# Allegro board LED_FIN.brd (continued)
## Routing (per net, layer and track width the routed paths; a pad name or vN(x,y) marks a point on that pad's centre or on a via; arc(x,y) is an arc through that point) (continued)
COL_OUT_B113: length 244.7
  TOP w0.15: D5557.1 v1(51.25,250.8) ; D5317.1 v1(51.25,266.8) ; D5677.1 v1(51.25,242.8) ; D4687.1 v1(51.25,308.8) ; D4747.1 v1(51.25,304.8) ; D5497.1 v1(51.25,254.8) ; D5347.1 v1(51.25,264.8) ; D5197.1 v1(51.25,274.8) ; D5467.1 v1(51.25,256.8) ; D4717.1 v1(51.25,306.8) ; D4627.1 v1(51.25,312.8) ; D5257.1 v1(51.25,270.8) ; D5167.1 v1(51.25,276.8) ; D5137.1 v1(51.25,278.8) ; D5587.1 v1(51.25,248.8) ; D5437.1 v1(51.25,258.8) ; D5287.1 v1(51.25,268.8) ; D4897.1 v1(51.25,294.8) ; D5617.1 v1(51.25,246.8) ; D5407.1 v1(51.25,260.8) ; D4987.1 v1(51.25,288.8) ; D5047.1 v1(51.25,284.8) ; D4837.1 v1(51.25,298.8) ; D5527.1 v1(51.25,252.8) ; D4777.1 v1(51.25,302.8) ; D5107.1 v1(51.25,280.8) ; D4867.1 v1(51.25,296.8) ; D5647.1 v1(51.25,244.8) ; D4927.1 v1(51.25,292.8) ; D5377.1 v1(51.25,262.8) ; D4597.1 v1(51.25,314.8) ; D4807.1 v1(51.25,300.8) ; D5077.1 v1(51.25,282.8) ; D5227.1 v1(51.25,272.8) ; v1(50.55,99.8) R127.1 ; D4657.1 v1(51.25,310.8) ; D4567.1 v1(51.25,316.8) ; D4957.1 v1(51.25,290.8) ; D5017.1 v1(51.25,286.8)
  BOTTOM w0.15: v1(51.25,316.8) v1(51.25,314.8) v1(51.25,312.8) v1(51.25,310.8) v1(51.25,308.8) v1(51.25,306.8) v1(51.25,304.8) v1(51.25,302.8) v1(51.25,300.8) v1(51.25,298.8) v1(51.25,296.8) v1(51.25,294.8) v1(51.25,292.8) v1(51.25,290.8) v1(51.25,288.8) v1(51.25,286.8) v1(51.25,284.8) v1(51.25,282.8) v1(51.25,280.8) v1(51.25,278.8) v1(51.25,276.8) v1(51.25,274.8) v1(51.25,272.8) v1(51.25,270.8) v1(51.25,268.8) v1(51.25,266.8) v1(51.25,264.8) v1(51.25,262.8) v1(51.25,260.8) v1(51.25,258.8) v1(51.25,256.8) v1(51.25,254.8) v1(51.25,252.8) v1(51.25,250.8) v1(51.25,248.8) v1(51.25,246.8) v1(51.25,244.8) v1(51.25,242.8) 50.55,242.1 v1(50.55,99.8)
COL_OUT_B114: length 244.7
  TOP w0.15: D5466.1 v1(49.25,256.8) ; D5196.1 v1(49.25,274.8) ; v1(48.55,99.8) R126.1 ; D4656.1 v1(49.25,310.8) ; D5376.1 v1(49.25,262.8) ; D4626.1 v1(49.25,312.8) ; D5286.1 v1(49.25,268.8) ; D4806.1 v1(49.25,300.8) ; D5496.1 v1(49.25,254.8) ; D5526.1 v1(49.25,252.8) ; D4836.1 v1(49.25,298.8) ; D5166.1 v1(49.25,276.8) ; D4746.1 v1(49.25,304.8) ; D5436.1 v1(49.25,258.8) ; D5256.1 v1(49.25,270.8) ; D5136.1 v1(49.25,278.8) ; D4566.1 v1(49.25,316.8) ; D4596.1 v1(49.25,314.8) ; D5076.1 v1(49.25,282.8) ; D5106.1 v1(49.25,280.8) ; D5676.1 v1(49.25,242.8) ; D5346.1 v1(49.25,264.8) ; D5226.1 v1(49.25,272.8) ; D4986.1 v1(49.25,288.8) ; D4926.1 v1(49.25,292.8) ; D5556.1 v1(49.25,250.8) ; D4866.1 v1(49.25,296.8) ; D5046.1 v1(49.25,284.8) ; D5646.1 v1(49.25,244.8) ; D4686.1 v1(49.25,308.8) ; D5586.1 v1(49.25,248.8) ; D4956.1 v1(49.25,290.8) ; D4896.1 v1(49.25,294.8) ; D5406.1 v1(49.25,260.8) ; D5016.1 v1(49.25,286.8) ; D5616.1 v1(49.25,246.8) ; D5316.1 v1(49.25,266.8) ; D4776.1 v1(49.25,302.8) ; D4716.1 v1(49.25,306.8)
  BOTTOM w0.15: v1(48.55,99.8) 48.55,242.1 v1(49.25,242.8) v1(49.25,244.8) v1(49.25,246.8) v1(49.25,248.8) v1(49.25,250.8) v1(49.25,252.8) v1(49.25,254.8) v1(49.25,256.8) v1(49.25,258.8) v1(49.25,260.8) v1(49.25,262.8) v1(49.25,264.8) v1(49.25,266.8) v1(49.25,268.8) v1(49.25,270.8) v1(49.25,272.8) v1(49.25,274.8) v1(49.25,276.8) v1(49.25,278.8) v1(49.25,280.8) v1(49.25,282.8) v1(49.25,284.8) v1(49.25,286.8) v1(49.25,288.8) v1(49.25,290.8) v1(49.25,292.8) v1(49.25,294.8) v1(49.25,296.8) v1(49.25,298.8) v1(49.25,300.8) v1(49.25,302.8) v1(49.25,304.8) v1(49.25,306.8) v1(49.25,308.8) v1(49.25,310.8) v1(49.25,312.8) v1(49.25,314.8) v1(49.25,316.8)
COL_OUT_B115: length 244.7
  TOP w0.15: D5645.1 v1(47.25,244.8) ; D5495.1 v1(47.25,254.8) ; D5585.1 v1(47.25,248.8) ; D5615.1 v1(47.25,246.8) ; D4775.1 v1(47.25,302.8) ; D4865.1 v1(47.25,296.8) ; D5165.1 v1(47.25,276.8) ; D4745.1 v1(47.25,304.8) ; D4595.1 v1(47.25,314.8) ; D4835.1 v1(47.25,298.8) ; D5345.1 v1(47.25,264.8) ; D5465.1 v1(47.25,256.8) ; D5315.1 v1(47.25,266.8) ; D5375.1 v1(47.25,262.8) ; D5105.1 v1(47.25,280.8) ; D5045.1 v1(47.25,284.8) ; D5405.1 v1(47.25,260.8) ; D5135.1 v1(47.25,278.8) ; D4895.1 v1(47.25,294.8) ; D5255.1 v1(47.25,270.8) ; D5555.1 v1(47.25,250.8) ; D5195.1 v1(47.25,274.8) ; D4625.1 v1(47.25,312.8) ; D5075.1 v1(47.25,282.8) ; D4925.1 v1(47.25,292.8) ; D5225.1 v1(47.25,272.8) ; D4985.1 v1(47.25,288.8) ; D4955.1 v1(47.25,290.8) ; D4565.1 v1(47.25,316.8) ; D5525.1 v1(47.25,252.8) ; D4685.1 v1(47.25,308.8) ; D4715.1 v1(47.25,306.8) ; D4655.1 v1(47.25,310.8) ; D5015.1 v1(47.25,286.8) ; D4805.1 v1(47.25,300.8) ; D5435.1 v1(47.25,258.8) ; v1(46.55,99.8) R125.1 ; D5675.1 v1(47.25,242.8) ; D5285.1 v1(47.25,268.8)
  BOTTOM w0.15: v1(46.55,99.8) 46.55,242.1 v1(47.25,242.8) v1(47.25,244.8) v1(47.25,246.8) v1(47.25,248.8) v1(47.25,250.8) v1(47.25,252.8) v1(47.25,254.8) v1(47.25,256.8) v1(47.25,258.8) v1(47.25,260.8) v1(47.25,262.8) v1(47.25,264.8) v1(47.25,266.8) v1(47.25,268.8) v1(47.25,270.8) v1(47.25,272.8) v1(47.25,274.8) v1(47.25,276.8) v1(47.25,278.8) v1(47.25,280.8) v1(47.25,282.8) v1(47.25,284.8) v1(47.25,286.8) v1(47.25,288.8) v1(47.25,290.8) v1(47.25,292.8) v1(47.25,294.8) v1(47.25,296.8) v1(47.25,298.8) v1(47.25,300.8) v1(47.25,302.8) v1(47.25,304.8) v1(47.25,306.8) v1(47.25,308.8) v1(47.25,310.8) v1(47.25,312.8) v1(47.25,314.8) v1(47.25,316.8)
COL_OUT_B116: length 244.7
  TOP w0.15: D5164.1 v1(45.25,276.8) ; D5014.1 v1(45.25,286.8) ; D5404.1 v1(45.25,260.8) ; D4564.1 v1(45.25,316.8) ; D5344.1 v1(45.25,264.8) ; D5614.1 v1(45.25,246.8) ; D5524.1 v1(45.25,252.8) ; D4804.1 v1(45.25,300.8) ; D5074.1 v1(45.25,282.8) ; D5224.1 v1(45.25,272.8) ; D4954.1 v1(45.25,290.8) ; D5044.1 v1(45.25,284.8) ; D5254.1 v1(45.25,270.8) ; D5104.1 v1(45.25,280.8) ; D5134.1 v1(45.25,278.8) ; D4744.1 v1(45.25,304.8) ; D4774.1 v1(45.25,302.8) ; D5554.1 v1(45.25,250.8) ; D5434.1 v1(45.25,258.8) ; D4894.1 v1(45.25,294.8) ; D5494.1 v1(45.25,254.8) ; D5374.1 v1(45.25,262.8) ; D4984.1 v1(45.25,288.8) ; D5584.1 v1(45.25,248.8) ; D5194.1 v1(45.25,274.8) ; D5464.1 v1(45.25,256.8) ; D4594.1 v1(45.25,314.8) ; D4684.1 v1(45.25,308.8) ; D5314.1 v1(45.25,266.8) ; D4714.1 v1(45.25,306.8) ; D4834.1 v1(45.25,298.8) ; D4864.1 v1(45.25,296.8) ; D5674.1 v1(45.25,242.8) ; D4624.1 v1(45.25,312.8) ; D4924.1 v1(45.25,292.8) ; v1(44.55,99.8) R124.1 ; D4654.1 v1(45.25,310.8) ; D5644.1 v1(45.25,244.8) ; D5284.1 v1(45.25,268.8)
  BOTTOM w0.15: v1(44.55,99.8) 44.55,242.1 v1(45.25,242.8) v1(45.25,244.8) v1(45.25,246.8) v1(45.25,248.8) v1(45.25,250.8) v1(45.25,252.8) v1(45.25,254.8) v1(45.25,256.8) v1(45.25,258.8) v1(45.25,260.8) v1(45.25,262.8) v1(45.25,264.8) v1(45.25,266.8) v1(45.25,268.8) v1(45.25,270.8) v1(45.25,272.8) v1(45.25,274.8) v1(45.25,276.8) v1(45.25,278.8) v1(45.25,280.8) v1(45.25,282.8) v1(45.25,284.8) v1(45.25,286.8) v1(45.25,288.8) v1(45.25,290.8) v1(45.25,292.8) v1(45.25,294.8) v1(45.25,296.8) v1(45.25,298.8) v1(45.25,300.8) v1(45.25,302.8) v1(45.25,304.8) v1(45.25,306.8) v1(45.25,308.8) v1(45.25,310.8) v1(45.25,312.8) v1(45.25,314.8) v1(45.25,316.8)
COL_OUT_B117: length 244.7
  TOP w0.15: D5283.1 v1(43.25,268.8) ; D5163.1 v1(43.25,276.8) ; D5493.1 v1(43.25,254.8) ; D5043.1 v1(43.25,284.8) ; D4623.1 v1(43.25,312.8) ; D4893.1 v1(43.25,294.8) ; D4803.1 v1(43.25,300.8) ; D5523.1 v1(43.25,252.8) ; D4953.1 v1(43.25,290.8) ; D4923.1 v1(43.25,292.8) ; D4833.1 v1(43.25,298.8) ; D5253.1 v1(43.25,270.8) ; D5613.1 v1(43.25,246.8) ; D5643.1 v1(43.25,244.8) ; D5013.1 v1(43.25,286.8) ; D5673.1 v1(43.25,242.8) ; D5343.1 v1(43.25,264.8) ; D4683.1 v1(43.25,308.8) ; D5313.1 v1(43.25,266.8) ; D5433.1 v1(43.25,258.8) ; D5193.1 v1(43.25,274.8) ; D4713.1 v1(43.25,306.8) ; D5133.1 v1(43.25,278.8) ; D5403.1 v1(43.25,260.8) ; D5463.1 v1(43.25,256.8) ; v1(42.55,99.8) R123.1 ; D4563.1 v1(43.25,316.8) ; D4743.1 v1(43.25,304.8) ; D4863.1 v1(43.25,296.8) ; D5553.1 v1(43.25,250.8) ; D4983.1 v1(43.25,288.8) ; D5583.1 v1(43.25,248.8) ; D5073.1 v1(43.25,282.8) ; D5373.1 v1(43.25,262.8) ; D5103.1 v1(43.25,280.8) ; D4593.1 v1(43.25,314.8) ; D5223.1 v1(43.25,272.8) ; D4773.1 v1(43.25,302.8) ; D4653.1 v1(43.25,310.8)
  BOTTOM w0.15: v1(43.25,316.8) v1(43.25,314.8) v1(43.25,312.8) v1(43.25,310.8) v1(43.25,308.8) v1(43.25,306.8) v1(43.25,304.8) v1(43.25,302.8) v1(43.25,300.8) v1(43.25,298.8) v1(43.25,296.8) v1(43.25,294.8) v1(43.25,292.8) v1(43.25,290.8) v1(43.25,288.8) v1(43.25,286.8) v1(43.25,284.8) v1(43.25,282.8) v1(43.25,280.8) v1(43.25,278.8) v1(43.25,276.8) v1(43.25,274.8) v1(43.25,272.8) v1(43.25,270.8) v1(43.25,268.8) v1(43.25,266.8) v1(43.25,264.8) v1(43.25,262.8) v1(43.25,260.8) v1(43.25,258.8) v1(43.25,256.8) v1(43.25,254.8) v1(43.25,252.8) v1(43.25,250.8) v1(43.25,248.8) v1(43.25,246.8) v1(43.25,244.8) v1(43.25,242.8) 42.55,242.1 v1(42.55,99.8)
COL_OUT_B118: length 244.7
  TOP w0.15: D5492.1 v1(41.25,254.8) ; D5342.1 v1(41.25,264.8) ; D5012.1 v1(41.25,286.8) ; D4652.1 v1(41.25,310.8) ; D4622.1 v1(41.25,312.8) ; D5672.1 v1(41.25,242.8) ; D4952.1 v1(41.25,290.8) ; D5072.1 v1(41.25,282.8) ; D5312.1 v1(41.25,266.8) ; D5222.1 v1(41.25,272.8) ; D5402.1 v1(41.25,260.8) ; D4772.1 v1(41.25,302.8) ; D4592.1 v1(41.25,314.8) ; D5612.1 v1(41.25,246.8) ; D5642.1 v1(41.25,244.8) ; D4982.1 v1(41.25,288.8) ; D5462.1 v1(41.25,256.8) ; D5552.1 v1(41.25,250.8) ; D5432.1 v1(41.25,258.8) ; D4922.1 v1(41.25,292.8) ; D4712.1 v1(41.25,306.8) ; D5582.1 v1(41.25,248.8) ; D5192.1 v1(41.25,274.8) ; D5252.1 v1(41.25,270.8) ; D4892.1 v1(41.25,294.8) ; D4742.1 v1(41.25,304.8) ; D5042.1 v1(41.25,284.8) ; D4862.1 v1(41.25,296.8) ; D5372.1 v1(41.25,262.8) ; D5522.1 v1(41.25,252.8) ; v1(40.55,99.8) R122.1 ; D5102.1 v1(41.25,280.8) ; D4682.1 v1(41.25,308.8) ; D4802.1 v1(41.25,300.8) ; D5282.1 v1(41.25,268.8) ; D4832.1 v1(41.25,298.8) ; D5132.1 v1(41.25,278.8) ; D4562.1 v1(41.25,316.8) ; D5162.1 v1(41.25,276.8)
  BOTTOM w0.15: v1(41.25,316.8) v1(41.25,314.8) v1(41.25,312.8) v1(41.25,310.8) v1(41.25,308.8) v1(41.25,306.8) v1(41.25,304.8) v1(41.25,302.8) v1(41.25,300.8) v1(41.25,298.8) v1(41.25,296.8) v1(41.25,294.8) v1(41.25,292.8) v1(41.25,290.8) v1(41.25,288.8) v1(41.25,286.8) v1(41.25,284.8) v1(41.25,282.8) v1(41.25,280.8) v1(41.25,278.8) v1(41.25,276.8) v1(41.25,274.8) v1(41.25,272.8) v1(41.25,270.8) v1(41.25,268.8) v1(41.25,266.8) v1(41.25,264.8) v1(41.25,262.8) v1(41.25,260.8) v1(41.25,258.8) v1(41.25,256.8) v1(41.25,254.8) v1(41.25,252.8) v1(41.25,250.8) v1(41.25,248.8) v1(41.25,246.8) v1(41.25,244.8) v1(41.25,242.8) 40.55,242.1 v1(40.55,99.8)
COL_OUT_B119: length 244.7
  TOP w0.15: D4951.1 v1(39.25,290.8) ; D4711.1 v1(39.25,306.8) ; D5461.1 v1(39.25,256.8) ; D5221.1 v1(39.25,272.8) ; D4921.1 v1(39.25,292.8) ; D4561.1 v1(39.25,316.8) ; D4981.1 v1(39.25,288.8) ; D5371.1 v1(39.25,262.8) ; D5041.1 v1(39.25,284.8) ; D5101.1 v1(39.25,280.8) ; D5641.1 v1(39.25,244.8) ; D5551.1 v1(39.25,250.8) ; D5251.1 v1(39.25,270.8) ; D5011.1 v1(39.25,286.8) ; D4801.1 v1(39.25,300.8) ; v1(38.55,99.8) R121.1 ; D4621.1 v1(39.25,312.8) ; D5161.1 v1(39.25,276.8) ; D4861.1 v1(39.25,296.8) ; D5671.1 v1(39.25,242.8) ; D4681.1 v1(39.25,308.8) ; D4651.1 v1(39.25,310.8) ; D5311.1 v1(39.25,266.8) ; D4591.1 v1(39.25,314.8) ; D4891.1 v1(39.25,294.8) ; D5281.1 v1(39.25,268.8) ; D5341.1 v1(39.25,264.8) ; D5521.1 v1(39.25,252.8) ; D5071.1 v1(39.25,282.8) ; D5431.1 v1(39.25,258.8) ; D5131.1 v1(39.25,278.8) ; D5401.1 v1(39.25,260.8) ; D5191.1 v1(39.25,274.8) ; D5611.1 v1(39.25,246.8) ; D4831.1 v1(39.25,298.8) ; D4771.1 v1(39.25,302.8) ; D5491.1 v1(39.25,254.8) ; D5581.1 v1(39.25,248.8) ; D4741.1 v1(39.25,304.8)
  BOTTOM w0.15: v1(38.55,99.8) 38.55,242.1 v1(39.25,242.8) v1(39.25,244.8) v1(39.25,246.8) v1(39.25,248.8) v1(39.25,250.8) v1(39.25,252.8) v1(39.25,254.8) v1(39.25,256.8) v1(39.25,258.8) v1(39.25,260.8) v1(39.25,262.8) v1(39.25,264.8) v1(39.25,266.8) v1(39.25,268.8) v1(39.25,270.8) v1(39.25,272.8) v1(39.25,274.8) v1(39.25,276.8) v1(39.25,278.8) v1(39.25,280.8) v1(39.25,282.8) v1(39.25,284.8) v1(39.25,286.8) v1(39.25,288.8) v1(39.25,290.8) v1(39.25,292.8) v1(39.25,294.8) v1(39.25,296.8) v1(39.25,298.8) v1(39.25,300.8) v1(39.25,302.8) v1(39.25,304.8) v1(39.25,306.8) v1(39.25,308.8) v1(39.25,310.8) v1(39.25,312.8) v1(39.25,314.8) v1(39.25,316.8)
COL_OUT_C0: length 257.4
  TOP w0.15: D13020.1 v1(277.22,210.8) ; D12840.1 v1(277.2,222.8) ; D13140.1 v1(277.25,202.8) 277.25,200.8 ; D12900.1 v1(277.22,218.8) ; 277.25,184.8 D13410.1 ; 277.25,184.8 277.25,186.8 ; 277.25,184.8 277.25,182.8 ; D12750.1 v1(277.2,228.8) ; D12930.1 v1(277.22,216.8) ; 277.25,198.8 D13200.1 ; 277.25,198.8 277.25,200.8 ; 277.25,198.8 277.25,196.8 ; 277.25,192.8 D13290.1 ; 277.25,192.8 277.25,190.8 ; 277.25,192.8 277.25,194.8 ; D13080.1 v1(277.2,206.8) ; 277.25,180.8 277.25,178.8 ; 277.25,180.8 D13470.1 ; 277.25,180.8 277.25,182.8 ; 277.25,178.8 D13500.1 ; 277.25,178.8 277.25,176.8 ; D13680.1 v1(277.25,166.8) 277.25,168.8 ; 277.25,188.8 D13350.1 ; 277.25,188.8 277.25,186.8 ; 277.25,188.8 277.25,190.8 ; D12660.1 v1(277.2,234.8) ; D12720.1 v1(277.2,230.8) ; 277.25,176.8 D13530.1 ; 277.25,176.8 277.25,174.8 ; 277.25,196.8 D13230.1 ; 277.25,196.8 277.25,194.8 ; 277.25,200.8 D13170.1 ; 277.25,170.8 277.25,168.8 ; 277.25,170.8 277.25,172.8 ; 277.25,170.8 D13620.1 ; 277.25,168.8 D13650.1 ; 277.25,172.8 D13590.1 ; 277.25,172.8 277.25,174.8 ; D12990.1 v1(277.2,212.8) ; D13050.1 v1(277.22,208.8) ; D12630.1 v1(277.2,236.8) ; 277.25,186.8 D13380.1 ; 277.25,194.8 D13260.1 ; D12960.1 v1(277.2,214.8) ; R360.1 276.7,10.6 v1(277.25,10.6) ; D12870.1 v1(277.2,220.8) ; D12810.1 v1(277.22,224.8) ; 277.25,182.8 D13440.1 ; D12780.1 v1(277.22,226.8) ; D12690.1 v1(277.2,232.8) ; D12570.1 v1(277.2,240.8) ; 277.25,190.8 D13320.1 ; D13110.1 v1(277.22,204.8) ; 277.25,174.8 D13560.1 ; D12600.1 v1(277.2,238.8)
  BOTTOM w0.15: 277.25,230.8 277.25,228.8 ; 277.25,230.8 277.25,232.8 ; 277.25,230.8 v1(277.2,230.8) ; 277.25,228.8 v1(277.2,228.8) ; 277.25,228.8 277.25,226.8 ; 277.25,238.8 277.25,240.75 v1(277.2,240.8) ; 277.25,238.8 277.25,236.8 ; 277.25,238.8 v1(277.2,238.8) ; 277.25,224.8 277.25,222.8 ; 277.25,224.8 277.25,226.8 ; 277.25,224.8 v1(277.22,224.8) ; 277.25,222.8 v1(277.2,222.8) ; 277.25,222.8 277.25,220.8 ; 277.25,216.8 277.25,214.8 ; 277.25,216.8 v1(277.22,216.8) ; 277.25,216.8 277.25,218.8 ; 277.25,214.8 277.25,212.8 ; 277.25,214.8 v1(277.2,214.8) ; 277.25,236.8 277.25,234.8 ; 277.25,236.8 v1(277.2,236.8) ; v1(277.22,208.8) 277.25,208.8 ; 277.25,208.8 277.25,206.8 ; 277.25,208.8 277.25,210.8 ; 277.25,234.8 277.25,232.8 ; 277.25,234.8 v1(277.2,234.8) ; 277.25,232.8 v1(277.2,232.8) ; 277.25,206.8 277.25,204.8 ; 277.25,206.8 v1(277.2,206.8) ; v1(277.22,226.8) 277.25,226.8 ; v1(277.25,166.8) v1(277.25,10.6) ; 277.25,210.8 v1(277.22,210.8) ; 277.25,210.8 277.25,212.8 ; 277.25,212.8 v1(277.2,212.8) ; v1(277.2,220.8) 277.25,220.8 ; 277.25,220.8 277.25,218.8 ; v1(277.22,218.8) 277.25,218.8 ; 277.25,204.8 v1(277.25,202.8) ; 277.25,204.8 v1(277.22,204.8)
COL_OUT_C1: length 257.4
  TOP w0.15: D12569.1 v1(275.25,240.8) ; D13499.1 v1(275.25,178.8) ; D13559.1 v1(275.25,174.8) ; D12659.1 v1(275.25,234.8) ; D13349.1 v1(275.25,188.8) ; D12749.1 v1(275.25,228.8) ; D13169.1 v1(275.25,200.8) ; D12899.1 v1(275.25,218.8) ; D12689.1 v1(275.25,232.8) ; D12839.1 v1(275.25,222.8) ; D12989.1 v1(275.25,212.8) ; D13049.1 v1(275.25,208.8) ; D12809.1 v1(275.25,224.8) ; D12629.1 v1(275.25,236.8) ; D13199.1 v1(275.25,198.8) ; D13469.1 v1(275.25,180.8) ; D13409.1 v1(275.25,184.8) ; D13589.1 v1(275.25,172.8) ; D12959.1 v1(275.25,214.8) ; D12779.1 v1(275.25,226.8) ; D13619.1 v1(275.25,170.8) ; D13649.1 v1(275.25,168.8) ; D12869.1 v1(275.25,220.8) ; D13679.1 v1(275.25,166.8) ; R359.1 274.7,10.6 v1(275.25,10.6) ; D13289.1 v1(275.25,192.8) ; D13109.1 v1(275.25,204.8) ; D13139.1 v1(275.25,202.8) ; D13529.1 v1(275.25,176.8) ; D13319.1 v1(275.25,190.8) ; D12599.1 v1(275.25,238.8) ; D13259.1 v1(275.25,194.8) ; D13229.1 v1(275.25,196.8) ; D13439.1 v1(275.25,182.8) ; D13379.1 v1(275.25,186.8) ; D12929.1 v1(275.25,216.8) ; D13019.1 v1(275.25,210.8) ; D13079.1 v1(275.25,206.8) ; D12719.1 v1(275.25,230.8)
  BOTTOM w0.15: v1(275.25,10.6) v1(275.25,166.8) v1(275.25,168.8) v1(275.25,170.8) v1(275.25,172.8) v1(275.25,174.8) v1(275.25,176.8) v1(275.25,178.8) v1(275.25,180.8) v1(275.25,182.8) v1(275.25,184.8) v1(275.25,186.8) v1(275.25,188.8) v1(275.25,190.8) v1(275.25,192.8) v1(275.25,194.8) v1(275.25,196.8) v1(275.25,198.8) v1(275.25,200.8) v1(275.25,202.8) v1(275.25,204.8) v1(275.25,206.8) v1(275.25,208.8) v1(275.25,210.8) v1(275.25,212.8) v1(275.25,214.8) v1(275.25,216.8) v1(275.25,218.8) v1(275.25,220.8) v1(275.25,222.8) v1(275.25,224.8) v1(275.25,226.8) v1(275.25,228.8) v1(275.25,230.8) v1(275.25,232.8) v1(275.25,234.8) v1(275.25,236.8) v1(275.25,238.8) v1(275.25,240.8)
COL_OUT_C2: length 257.4
  TOP w0.15: D12868.1 v1(273.25,220.8) ; D13288.1 v1(273.25,192.8) ; D12958.1 v1(273.25,214.8) ; D12778.1 v1(273.25,226.8) ; R358.1 272.7,10.6 v1(273.25,10.6) ; D13588.1 v1(273.25,172.8) ; D13378.1 v1(273.25,186.8) ; D13618.1 v1(273.25,170.8) ; D12988.1 v1(273.25,212.8) ; D13678.1 v1(273.25,166.8) ; D13138.1 v1(273.25,202.8) ; D13498.1 v1(273.25,178.8) ; D12658.1 v1(273.25,234.8) ; D13228.1 v1(273.25,196.8) ; D12688.1 v1(273.25,232.8) ; D13438.1 v1(273.25,182.8) ; D13348.1 v1(273.25,188.8) ; D12718.1 v1(273.25,230.8) ; D12568.1 v1(273.25,240.8) ; D13648.1 v1(273.25,168.8) ; D13048.1 v1(273.25,208.8) ; D13078.1 v1(273.25,206.8) ; D13408.1 v1(273.25,184.8) ; D13468.1 v1(273.25,180.8) ; D13258.1 v1(273.25,194.8) ; D13558.1 v1(273.25,174.8) ; D12748.1 v1(273.25,228.8) ; D13198.1 v1(273.25,198.8) ; D13018.1 v1(273.25,210.8) ; D12598.1 v1(273.25,238.8) ; D13168.1 v1(273.25,200.8) ; D13528.1 v1(273.25,176.8) ; D13318.1 v1(273.25,190.8) ; D12628.1 v1(273.25,236.8) ; D12898.1 v1(273.25,218.8) ; D13108.1 v1(273.25,204.8) ; D12838.1 v1(273.25,222.8) ; D12808.1 v1(273.25,224.8) ; D12928.1 v1(273.25,216.8)
  BOTTOM w0.15: v1(273.25,240.8) v1(273.25,238.8) v1(273.25,236.8) v1(273.25,234.8) v1(273.25,232.8) v1(273.25,230.8) v1(273.25,228.8) v1(273.25,226.8) v1(273.25,224.8) v1(273.25,222.8) v1(273.25,220.8) v1(273.25,218.8) v1(273.25,216.8) v1(273.25,214.8) v1(273.25,212.8) v1(273.25,210.8) v1(273.25,208.8) v1(273.25,206.8) v1(273.25,204.8) v1(273.25,202.8) v1(273.25,200.8) v1(273.25,198.8) v1(273.25,196.8) v1(273.25,194.8) v1(273.25,192.8) v1(273.25,190.8) v1(273.25,188.8) v1(273.25,186.8) v1(273.25,184.8) v1(273.25,182.8) v1(273.25,180.8) v1(273.25,178.8) v1(273.25,176.8) v1(273.25,174.8) v1(273.25,172.8) v1(273.25,170.8) v1(273.25,168.8) v1(273.25,166.8) v1(273.25,10.6)
COL_OUT_C3: length 257.4
  TOP w0.15: D13647.1 v1(271.25,168.8) ; D13467.1 v1(271.25,180.8) ; D12717.1 v1(271.25,230.8) ; D13107.1 v1(271.25,204.8) ; D13497.1 v1(271.25,178.8) ; D12777.1 v1(271.25,226.8) ; D12687.1 v1(271.25,232.8) ; D13257.1 v1(271.25,194.8) ; v1(271.25,10.6) 270.7,10.6 R357.1 ; D12657.1 v1(271.25,234.8) ; D13437.1 v1(271.25,182.8) ; D13527.1 v1(271.25,176.8) ; D13677.1 v1(271.25,166.8) ; D13557.1 v1(271.25,174.8) ; D13287.1 v1(271.25,192.8) ; D13047.1 v1(271.25,208.8) ; D12867.1 v1(271.25,220.8) ; D12837.1 v1(271.25,222.8) ; D13017.1 v1(271.25,210.8) ; D12627.1 v1(271.25,236.8) ; D12897.1 v1(271.25,218.8) ; D13377.1 v1(271.25,186.8) ; D12957.1 v1(271.25,214.8) ; D13137.1 v1(271.25,202.8) ; D13587.1 v1(271.25,172.8) ; D12597.1 v1(271.25,238.8) ; D13197.1 v1(271.25,198.8) ; D12807.1 v1(271.25,224.8) ; D13617.1 v1(271.25,170.8) ; D12747.1 v1(271.25,228.8) ; D12987.1 v1(271.25,212.8) ; D13167.1 v1(271.25,200.8) ; D13077.1 v1(271.25,206.8) ; D13227.1 v1(271.25,196.8) ; D12567.1 v1(271.25,240.8) ; D13347.1 v1(271.25,188.8) ; D12927.1 v1(271.25,216.8) ; D13407.1 v1(271.25,184.8) ; D13317.1 v1(271.25,190.8)
  BOTTOM w0.15: v1(271.25,240.8) v1(271.25,238.8) v1(271.25,236.8) v1(271.25,234.8) v1(271.25,232.8) v1(271.25,230.8) v1(271.25,228.8) v1(271.25,226.8) v1(271.25,224.8) v1(271.25,222.8) v1(271.25,220.8) v1(271.25,218.8) v1(271.25,216.8) v1(271.25,214.8) v1(271.25,212.8) v1(271.25,210.8) v1(271.25,208.8) v1(271.25,206.8) v1(271.25,204.8) v1(271.25,202.8) v1(271.25,200.8) v1(271.25,198.8) v1(271.25,196.8) v1(271.25,194.8) v1(271.25,192.8) v1(271.25,190.8) v1(271.25,188.8) v1(271.25,186.8) v1(271.25,184.8) v1(271.25,182.8) v1(271.25,180.8) v1(271.25,178.8) v1(271.25,176.8) v1(271.25,174.8) v1(271.25,172.8) v1(271.25,170.8) v1(271.25,168.8) v1(271.25,166.8) v1(271.25,10.6)
COL_OUT_C4: length 257.4
  TOP w0.15: D12776.1 v1(269.25,226.8) ; D13676.1 v1(269.25,166.8) ; D13256.1 v1(269.25,194.8) ; D12986.1 v1(269.25,212.8) ; D13436.1 v1(269.25,182.8) ; D13166.1 v1(269.25,200.8) ; D13016.1 v1(269.25,210.8) ; D12836.1 v1(269.25,222.8) ; D12566.1 v1(269.25,240.8) ; D12926.1 v1(269.25,216.8) ; D13406.1 v1(269.25,184.8) ; D12626.1 v1(269.25,236.8) ; D12596.1 v1(269.25,238.8) ; D13646.1 v1(269.25,168.8) ; D12686.1 v1(269.25,232.8) ; D12866.1 v1(269.25,220.8) ; v1(269.25,10.6) 268.7,10.6 R356.1 ; D13106.1 v1(269.25,204.8) ; D13376.1 v1(269.25,186.8) ; D13316.1 v1(269.25,190.8) ; D13226.1 v1(269.25,196.8) ; D12656.1 v1(269.25,234.8) ; D13286.1 v1(269.25,192.8) ; D13196.1 v1(269.25,198.8) ; D13526.1 v1(269.25,176.8) ; D13496.1 v1(269.25,178.8) ; D13136.1 v1(269.25,202.8) ; D13046.1 v1(269.25,208.8) ; D12716.1 v1(269.25,230.8) ; D13466.1 v1(269.25,180.8) ; D12956.1 v1(269.25,214.8) ; D13586.1 v1(269.25,172.8) ; D13556.1 v1(269.25,174.8) ; D12746.1 v1(269.25,228.8) ; D13346.1 v1(269.25,188.8) ; D12806.1 v1(269.25,224.8) ; D12896.1 v1(269.25,218.8) ; D13076.1 v1(269.25,206.8) ; D13616.1 v1(269.25,170.8)
  BOTTOM w0.15: v1(269.25,10.6) v1(269.25,166.8) v1(269.25,168.8) v1(269.25,170.8) v1(269.25,172.8) v1(269.25,174.8) v1(269.25,176.8) v1(269.25,178.8) v1(269.25,180.8) v1(269.25,182.8) v1(269.25,184.8) v1(269.25,186.8) v1(269.25,188.8) v1(269.25,190.8) v1(269.25,192.8) v1(269.25,194.8) v1(269.25,196.8) v1(269.25,198.8) v1(269.25,200.8) v1(269.25,202.8) v1(269.25,204.8) v1(269.25,206.8) v1(269.25,208.8) v1(269.25,210.8) v1(269.25,212.8) v1(269.25,214.8) v1(269.25,216.8) v1(269.25,218.8) v1(269.25,220.8) v1(269.25,222.8) v1(269.25,224.8) v1(269.25,226.8) v1(269.25,228.8) v1(269.25,230.8) v1(269.25,232.8) v1(269.25,234.8) v1(269.25,236.8) v1(269.25,238.8) v1(269.25,240.8)
COL_OUT_C5: length 257.4
  TOP w0.15: D13285.1 v1(267.25,192.8) ; D12985.1 v1(267.25,212.8) ; D13195.1 v1(267.25,198.8) ; D12565.1 v1(267.25,240.8) ; D13315.1 v1(267.25,190.8) ; D13225.1 v1(267.25,196.8) ; D12595.1 v1(267.25,238.8) ; D13255.1 v1(267.25,194.8) ; D13375.1 v1(267.25,186.8) ; D13135.1 v1(267.25,202.8) ; D13165.1 v1(267.25,200.8) ; R355.1 266.7,10.6 v1(267.25,10.6) ; D12955.1 v1(267.25,214.8) ; D13525.1 v1(267.25,176.8) ; D12835.1 v1(267.25,222.8) ; D12715.1 v1(267.25,230.8) ; D13675.1 v1(267.25,166.8) ; D12775.1 v1(267.25,226.8) ; D13465.1 v1(267.25,180.8) ; D12655.1 v1(267.25,234.8) ; D13405.1 v1(267.25,184.8) ; D12865.1 v1(267.25,220.8) ; D12805.1 v1(267.25,224.8) ; D13645.1 v1(267.25,168.8) ; D13105.1 v1(267.25,204.8) ; D13585.1 v1(267.25,172.8) ; D12895.1 v1(267.25,218.8) ; D13345.1 v1(267.25,188.8) ; D12925.1 v1(267.25,216.8) ; D13435.1 v1(267.25,182.8) ; D13615.1 v1(267.25,170.8) ; D12685.1 v1(267.25,232.8) ; D13015.1 v1(267.25,210.8) ; D12745.1 v1(267.25,228.8) ; D13555.1 v1(267.25,174.8) ; D12625.1 v1(267.25,236.8) ; D13045.1 v1(267.25,208.8) ; D13075.1 v1(267.25,206.8) ; D13495.1 v1(267.25,178.8)
  BOTTOM w0.15: v1(267.25,240.8) v1(267.25,238.8) v1(267.25,236.8) v1(267.25,234.8) v1(267.25,232.8) v1(267.25,230.8) v1(267.25,228.8) v1(267.25,226.8) v1(267.25,224.8) v1(267.25,222.8) v1(267.25,220.8) v1(267.25,218.8) v1(267.25,216.8) v1(267.25,214.8) v1(267.25,212.8) v1(267.25,210.8) v1(267.25,208.8) v1(267.25,206.8) v1(267.25,204.8) v1(267.25,202.8) v1(267.25,200.8) v1(267.25,198.8) v1(267.25,196.8) v1(267.25,194.8) v1(267.25,192.8) v1(267.25,190.8) v1(267.25,188.8) v1(267.25,186.8) v1(267.25,184.8) v1(267.25,182.8) v1(267.25,180.8) v1(267.25,178.8) v1(267.25,176.8) v1(267.25,174.8) v1(267.25,172.8) v1(267.25,170.8) v1(267.25,168.8) v1(267.25,166.8) v1(267.25,10.6)
COL_OUT_C6: length 257.4
  TOP w0.15: D12684.1 v1(265.25,232.8) ; D13464.1 v1(265.25,180.8) ; D13644.1 v1(265.25,168.8) ; D13404.1 v1(265.25,184.8) ; D12774.1 v1(265.25,226.8) ; D12834.1 v1(265.25,222.8) ; D13614.1 v1(265.25,170.8) ; D12594.1 v1(265.25,238.8) ; D12894.1 v1(265.25,218.8) ; D13164.1 v1(265.25,200.8) ; D13014.1 v1(265.25,210.8) ; D13524.1 v1(265.25,176.8) ; D13374.1 v1(265.25,186.8) ; D13194.1 v1(265.25,198.8) ; D12804.1 v1(265.25,224.8) ; D13224.1 v1(265.25,196.8) ; D13314.1 v1(265.25,190.8) ; D12744.1 v1(265.25,228.8) ; D13134.1 v1(265.25,202.8) ; D13674.1 v1(265.25,166.8) ; v1(265.25,10.6) 264.7,10.6 R354.1 ; D13284.1 v1(265.25,192.8) ; D12564.1 v1(265.25,240.8) ; D13074.1 v1(265.25,206.8) ; D12924.1 v1(265.25,216.8) ; D12954.1 v1(265.25,214.8) ; D12714.1 v1(265.25,230.8) ; D12654.1 v1(265.25,234.8) ; D13434.1 v1(265.25,182.8) ; D13554.1 v1(265.25,174.8) ; D13104.1 v1(265.25,204.8) ; D13494.1 v1(265.25,178.8) ; D12984.1 v1(265.25,212.8) ; D13584.1 v1(265.25,172.8) ; D13254.1 v1(265.25,194.8) ; D13044.1 v1(265.25,208.8) ; D12624.1 v1(265.25,236.8) ; D12864.1 v1(265.25,220.8) ; D13344.1 v1(265.25,188.8)
  BOTTOM w0.15: v1(265.25,240.8) v1(265.25,238.8) v1(265.25,236.8) v1(265.25,234.8) v1(265.25,232.8) v1(265.25,230.8) v1(265.25,228.8) v1(265.25,226.8) v1(265.25,224.8) v1(265.25,222.8) v1(265.25,220.8) v1(265.25,218.8) v1(265.25,216.8) v1(265.25,214.8) v1(265.25,212.8) v1(265.25,210.8) v1(265.25,208.8) v1(265.25,206.8) v1(265.25,204.8) v1(265.25,202.8) v1(265.25,200.8) v1(265.25,198.8) v1(265.25,196.8) v1(265.25,194.8) v1(265.25,192.8) v1(265.25,190.8) v1(265.25,188.8) v1(265.25,186.8) v1(265.25,184.8) v1(265.25,182.8) v1(265.25,180.8) v1(265.25,178.8) v1(265.25,176.8) v1(265.25,174.8) v1(265.25,172.8) v1(265.25,170.8) v1(265.25,168.8) v1(265.25,166.8) v1(265.25,10.6)